# KiCad board pmic_panel.kicad_pcb (continued)
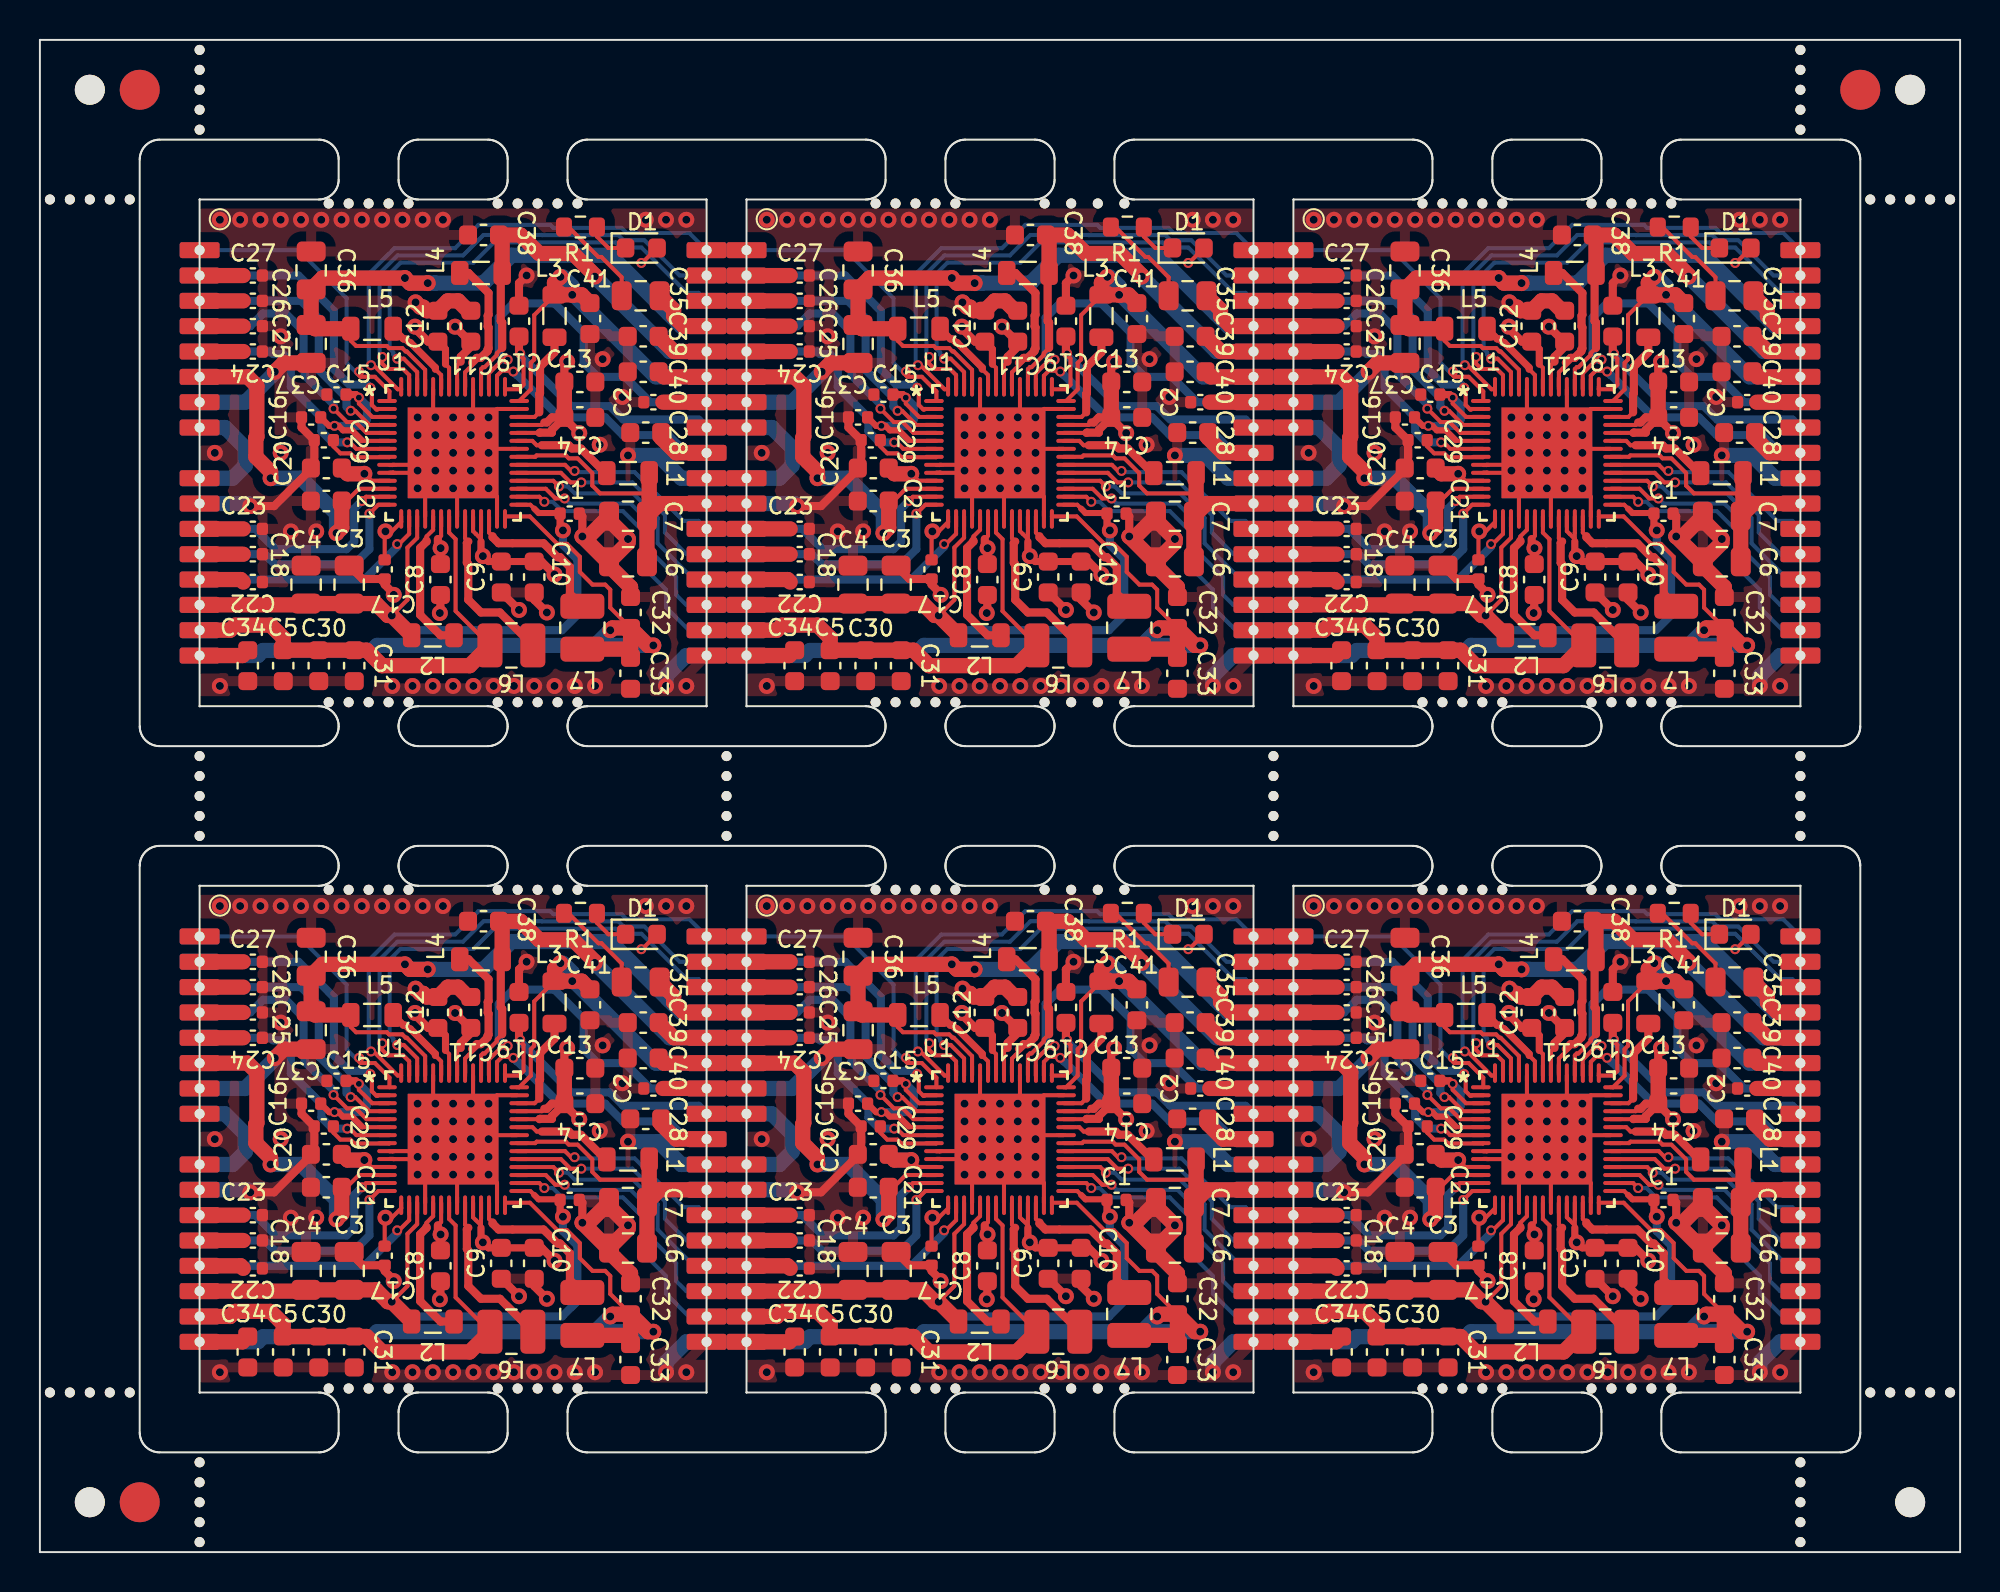
[diagram p0: board, top side]
## Routing (per net, layer and track width the routed paths; a pad name or vN(x,y) marks a point on that pad's centre or on a via; arc(x,y) is an arc through that point) (continued)
Board_4-PWRCTRL3: length 24.3
  Top w0.203: 46.3,23.89 46.3,24.75 45.63,25.42 v2(45.31,25.42)
  Bottom w0.203: v2(45.31,25.42) 45.11,25.62 45.11,25.73 44.92,25.92 44.92,29.69 45.46,30.23 49.12,30.23 50.14,31.25 56.24,31.25 56.49,30.99 57.54,30.99 59.81,28.72 60.4,28.72 U2#6.31
Board_4-RSTN: length 13.3
  Top w0.203: 51.29,18.9 52.74,18.9 53.23,18.41 v2(53.69,18.41)
  Bottom w0.203: v2(53.69,18.41) 53.94,18.16 56.99,18.16 57.99,17.16 57.99,15.76 59.28,14.48 59.28,13.59 59.78,13.08 U2#6.19
Board_4-SCL: length 11.7
  Top w0.203: v2(54.52,19.22) 53.98,19.22 53.5,19.7 51.29,19.7
  Bottom w0.203: U2#6.21 59.8,15.62 58.71,16.71 58.71,17.58 57.08,19.22 v2(54.52,19.22)
Board_4-SDA: length 10.8
  Top w0.203: 51.29,20.1 53.71,20.1 54.01,19.79 v2(54.19,19.79)
  Bottom w0.203: v2(54.19,19.79) 54.25,19.74 57.19,19.74 59.64,17.29 60.4,17.29 U2#6.22
Board_4-VBUS: length 17.4
  Top w0.203: 44.91,18.9 43.38,18.9 42.77,18.29 C21#3.1
  Top w0.762: C21#3.1 42.53,16.94 v1(42.26,16.68) ; U2#6.6 37.81,24.51 38.27,24.05 38.27,21.51 38.22,21.46 38.22,20.5 38.96,19.76 v1(38.96,19.43)
  Bottom w0.762: v1(42.26,16.68) 42.26,17.65 40.48,19.43 v1(38.96,19.43)
Board_4-VIN: length 57.7
  Top w0.203: 51.29,22.1 52.55,22.1 52.67,22.22 ; 47.34,16.38 47.5,16.54 47.5,17.51 ; v2(43.38,23.47) 43.38,23.17 44.05,22.5 44.91,22.5 ; v1(43.66,19.65) 44,19.3 44.91,19.3 ; 44.91,21.3 43.56,21.3 ; 48.3,23.89 48.3,25.09 48.48,25.27 ; 47.9,23.89 47.9,24.96 47.72,25.14 ; 49.5,17.51 49.5,16.7 49.5,16.7 49.5,16.25 49.5,16.38 49.1,16.78 49.1,17.51 ; C17#4.1 44.67,16.72 v1(44.71,16.76) 45.03,16.76 45.5,17.23 45.5,17.51 ; 51.29,21.7 52.43,21.7
  Top w0.305: 43.53,21.33 43.03,21.83 42.58,21.83 42.36,22.05 ; v2(42.16,22.05) 42.36,22.05 42.36,22.05 ; 42.36,22.05 41.9,22.05 C16.1
  Top w0.356: C10.1 C9#4.1 49.86,15.25 v1(49.59,15.52) 49.5,15.62 49.5,16.25 ; 47.72,25.14 47.72,25.89 C12#3.1 ; C15.1 43.23,23.62 v2(43.38,23.47)
  Top w0.406: C13#6.1 53.67,25.13 v1(53.81,25.27) ; C10.1 52.53,15.25 v1(53.18,14.6) ; 52.67,22.22 52.8,22.22 53.05,22.48 C14#3.1 ; v1(48.2,27.02) 48.95,26.27 C11#6.1 ; C12#3.1 46.85,26.27 46.19,26.93 v1(46.19,27.03) ; C14#3.1 53.05,21.86 53.05,21.72 52.45,21.72 52.43,21.7 ; C14#3.1 53.67,22.44 v1(54.42,21.69) ; C8#5.1 47.47,15.91 v1(47.48,15.92) 47.34,16.06 47.34,16.38 ; 49.24,26.27 48.48,25.51 48.48,25.27
  Top w0.762: C14#3.1 C13#6.1 ; v1(43.66,19.65) 42.81,19.65 C20#2.1
  In1.Cu w0.762: 38.71,21.45 38.19,21.97 U2#6.8 ; 38.71,21.45 v1(39.46,20.7) ; 38.71,21.45 38.51,21.45 37.68,20.62 37.68,20.12 36.99,19.43 U2#6.9
  Bottom w0.406: v2(42.16,22.05) 43.46,22.05 43.78,22.38 43.78,23.07 v2(43.38,23.47)
  Bottom w0.762: U2#6.8 36.67,21.97 37.69,20.95 37.69,20.06 37.05,19.43 U2#6.9
Board_4-VOUT1: length 21.2
  Top w0.203: 51.29,23.3 U1#5.42 51.99,23.88 51.99,25.21 52.16,25.38 52.16,27.6 L3#6.2
  Top w0.762: C41#5.1 54.54,28.62 L3#6.2 53.18,29.22 v1(53.48,29.52) ; U2#6.28 58.65,24.51 C40#3.1
  Bottom w0.762: 54.15,28.62 58.26,24.51 U2#6.28 ; v1(53.48,29.52) 53.6,29.52 54.07,29.05 v1(54.07,28.62)
Board_4-VOUT2: length 42.6
  Top w0.203: 50.7,17.51 51.95,17.51 53.32,16.14 53.8,16.14 54.45,15.49 54.45,14.73 55.09,14.1 55.72,14.1 55.97,13.84 55.97,12.94 C32#2.1
  Top w0.762: 56.99,10.92 56.93,10.86 L7#2.1 ; 56.99,10.92 C32#2.1 ; 56.99,10.92 C33#3.1 ; C32#2.1 57.87,11.05 v1(58.13,11.05) ; C32#2.1 56.09,11.92 v1(55.97,11.81) ; U2#6.16 37.55,10.54 C34#4.1
  Bottom w0.762: U2#6.16 38.32,10.54 38.57,10.79 44.04,10.79 44.29,11.05 55.21,11.05 ; 55.21,11.05 v1(55.97,11.81) ; 55.21,11.05 v1(58.13,11.05)
Board_4-VOUT3: length 23.6
  Top w0.203: 47.9,17.51 47.9,16.7 48.23,16.37 48.23,12.77 L6#4.1
  Top w0.762: U2#6.15 36.92,11.81 37.18,12.06 38.96,12.06 39.59,11.43 C5#4.1 C30#6.1 C31#5.1 43.77,10.81 44.54,10.03 48.93,10.03 L6#4.1
Board_4-VOUT4: length 52.2
  Top w0.203: 46.3,17.51 46.3,16.44 45.81,15.95 45.81,13.33 v1(45.03,12.55) ; D1#3.2 57.57,30.22 v2(57.53,30.22) ; 51.29,18.1 51.97,18.1 52.16,17.91
  Top w0.305: C1#4.1 53.43,17.68 52.39,17.68 52.16,17.91
  Top w0.356: C1#4.1 53.46,16.95 v1(53.6,16.81)
  Top w0.762: L2#2.1 v1(45.03,12.55) 44.83,12.55 44.23,13.15 C3#6.1 C4#4.1 40.67,13.08 U2#6.14
  In1.Cu w0.203: v1(53.6,16.81) 53.62,16.81 54.53,17.72 56.38,17.72 58.13,19.47 58.13,29.12 57.53,29.72 v2(57.53,30.22)
  Bottom w0.406: v1(45.03,12.55) 45.77,11.81 53.56,11.81 54.32,12.57 54.32,15.37 53.6,16.09 v1(53.6,16.81)
Board_4-VOUT5: length 15.6
  Top w0.203: 57.93,18.54 57.8,18.67 55.47,18.67 55.07,19.06 55.07,19.69 54.34,20.42 53.9,20.42 53.75,20.57 52.29,20.57 52.21,20.5 51.29,20.5
  Top w0.762: U2#6.23 58.45,18.16 C7#4.1 ; C7#4.1 C6#2.1 ; C7#4.1 57.93,17.64 L1#3.2
Board_4-VOUT6: length 23.9
  Top w0.203: 50.56,25.96 50.29,25.69 50.29,25.61 49.68,25 49.6,25 49.5,24.9 49.5,23.89
  Top w0.406: L4#3.2 50.49,29.65 50.49,27.3 50.56,27.23 50.56,25.96
  Top w0.762: C39#3.1 59.16,25.78 U2#6.29 ; L4#3.2 50.56,31.46 C38#3.1 51.48,31.62 52.41,30.7 54.11,30.7 55.2,29.61 v1(55.2,29.54)
  Bottom w0.762: v1(55.2,29.54) 58.95,25.78 U2#6.29
Board_4-VOUT7: length 36.8
  Top w0.203: 46.7,23.89 46.7,24.86 45.78,25.78 45.72,25.78 45.56,25.95 44.89,25.95 44.78,26.06 43.24,26.06 42.97,26.32 L5#6.2
  Top w0.762: L5#6.2 41.18,26.92 C37#6.1 C36.1 41.56,29.46 v1(45.69,29.46) 45.94,29.21 v1(46.83,29.21) ; C35#3.1 59.15,27.87 59.15,27.56 59.66,27.05 U2#6.30
  Bottom w0.762: 47.21,29.21 v1(46.83,29.21) ; 47.21,29.21 49.62,29.21 51.02,30.61 55.97,30.61 59.53,27.05 U2#6.30 ; 47.21,29.21 45.94,29.21 v1(45.69,29.46)
Board_4-VREFDDR: length 20.3
  Top w0.203: 49.89,23.89 49.89,24.68 50.58,25.37 v2(50.83,25.37)
  Top w0.762: U2#6.27 C2#6.1
  Bottom w0.406: v2(50.83,25.37) 50.67,25.37 50.39,25.65 50.39,27.47 51.1,28.19 53.18,28.19 54.64,26.73 54.64,25.21 55.34,24.51 56.71,24.51 57.98,23.24 U2#6.27
Board_4-WAKEUPN: length 13.8
  Top w0.203: 51.29,18.5 52.42,18.5 v2(52.67,18.25)
  Bottom w0.203: U2#6.18 59.91,11.81 58.77,12.95 58.77,13.84 57.62,14.98 57.62,16.76 56.61,17.78 53.56,17.78 53.09,18.25 v2(52.67,18.25)
Board_5-GND: length 63.2
  Top w0.203: C35#6.2 83.95,29.5 82.93,30.52 82.78,30.52 81.28,32.02 R1#5.2 ; v1(76.39,22.48) 76.5,22.59 76.5,23.89 ; v1(73.72,18.92) 74.1,18.54 74.1,17.51 ; 78.69,20.9 77.48,20.9 v1(77.28,20.7) ; 72.31,20.09 72.48,20.09 72.49,20.1 73.43,20.1 v1(73.72,19.81) 73.61,19.7 72.5,19.7 72.49,19.71 72.31,19.71 ; 74.5,23.89 74.5,22.59 v1(74.61,22.48) ; v1(77.28,18.92) 77.7,18.5 77.7,17.51 ; 78.69,22.9 77.7,22.9 v1(77.28,22.48) ; v1(75.5,18.92) 75.7,18.72 75.7,17.51
  Top w0.406: v1(78.8,12.83) 77.93,13.7 C9#6.2 ; C16#2.2 67.91,21.97 C29#2.2 68.54,20.11 C20.2 68.38,19.87 66.53,18.03 v1(65.34,18.03) ; C1.2 81.85,17.65 81.98,17.52 v1(81.98,16.51) ; C19#4.2 78.8,29.21 v1(79.18,29.59) ; v1(74.84,12.67) 74.86,12.7 74.86,13.58 ; C3#3.2 70.96,14.38 C17#5.2 72.07,14.1 72.53,13.64 v1(72.53,13.58) ; v1(80.2,12.7) 79.56,13.33 C10#6.2
  Top w0.762: v1(66.57,24.76) 67.02,25.21 C37#2.2 ; v1(73.62,28.24) 73.86,28.01 74,28.01 74.18,27.83 C12#2.2 75.23,28.32 75.75,28.32 76.25,27.83 C11#3.2 ; 83.31,15.24 83.25,15.24 v1(81.98,16.51) 82.3,16.51 83.31,17.52 83.31,17.33 v1(84.26,16.38) 84.26,16.19 83.31,15.24 ; 83.31,15.24 83.31,15.05 84.39,13.97 C32#5.2
  Bottom w0.762: U2#4.24 86.93,19.43 85.79,20.57 v1(84.26,20.57) ; v1(65.34,18.03) 65.21,18.16 U2#4.10 ; v1(66.57,24.76) 66.57,24.72 65.09,23.24 U2#4.7 ; v1(86.17,9.02) 86.17,9.52 87.18,10.54 U2#4.17
  vias: v1(63.56,20.7) v1(63.82,32.38) v1(63.82,9.02) v1(64.83,32.38) v1(65.85,32.38) v1(66.86,32.38) v1(66.86,26.54) v1(67.37,16.76) v1(67.88,32.38) v1(68.64,16.76) v1(68.9,32.38) v1(69.91,32.38) v1(70.93,32.38) v1(71.94,32.38) v1(72.45,9.02) v1(72.96,32.38) v1(73.47,9.02) v1(73.72,22.48) v1(73.72,21.59) v1(73.72,20.7) v1(73.98,32.38) v1(74.48,9.02) v1(74.61,21.59) v1(74.61,20.7) v1(74.61,19.81) v1(74.61,18.92) v1(74.99,32.38) v1(75.5,22.48) v1(75.5,21.59) v1(75.5,20.7) v1(75.5,19.81) v1(75.5,9.02) v1(76.39,21.59) v1(76.39,20.7) v1(76.39,19.81) v1(76.39,18.92) v1(76.52,9.02) v1(77.28,21.59) v1(77.28,19.81) v1(77.53,9.02) v1(78.55,9.02) v1(79.56,9.02) v1(80.58,9.02) v1(81.6,9.02) v1(82.61,9.02) v1(82.85,21.11) v1(82.99,25.4) v1(83.98,23.5) v1(85.15,32.38) v1(86.17,32.38) v1(87.18,32.38) v1(87.18,9.02)
Board_5-INTLDO: length 3.3
  Top w0.203: 72.31,20.49 72.3,20.48 70.55,20.48 70.36,20.68 69.85,20.68 69.5,21.03 C29#2.1
Board_5-INTN: length 12.3
  Top w0.203: 78.69,19.3 80.52,19.3 v2(80.8,19.02)
  Bottom w0.203: U2#4.20 87.56,14.35 85.75,16.16 85.75,17.43 84.52,18.67 81.6,18.67 81.25,19.02 v2(80.8,19.02)
Board_5-LDO1OUT: length 14.2
  Top w0.203: v2(71.31,17.65) 71.76,18.1 72.31,18.1
  Top w0.762: U2#4.12 C18.1
  Bottom w0.406: v2(71.31,17.65) 71.31,15.87 70.55,15.11 66.57,15.11 66.06,15.62 U2#4.12
Board_5-LDO2OUT: length 14.6
  Top w0.203: 73.3,17.51 73.3,16.64 72.79,16.13 v2(72.7,16.13)
  Top w0.762: C22#2.1 64.86,14.35 U2#4.13
  Bottom w0.406: v2(72.7,16.13) 72.7,16 71.06,14.35 U2#4.13
Board_5-LDO3IN: length 14.6
  Top w0.203: v2(78.86,25.68) 78.86,25.59 79.03,25.43 79.03,24.12 78.8,23.89 78.1,23.89 U1#4.43
  Top w0.406: C19#4.1 78.8,25.74 v2(78.86,25.68)
  Bottom w0.406: v2(78.86,25.68) 78.86,25.59 81.41,23.04 83.35,23.04 84.03,22.37 87.8,22.37 U2#4.26
Board_5-LDO3OUT: length 15.8
  Top w0.203: v2(78.52,24.78) 78.47,24.82 77.95,24.82 77.7,24.57 77.7,23.89
  Top w0.762: C28#6.1 85.93,21.45 86.68,20.7 U2#4.25
  Bottom w0.406: v2(78.52,24.78) 78.69,24.6 78.71,24.6 80.83,22.48 83.12,22.48 84.01,21.59 86.29,21.59 87.18,20.7 U2#4.25
Board_5-LDO4OUT: length 14.2
  Top w0.203: v2(70.93,18.29) 71.14,18.5 72.31,18.5
  Top w0.762: U2#4.11 C23#5.1
  Bottom w0.406: U2#4.11 65.59,16.89 66.61,15.87 70.17,15.87 70.55,16.25 70.55,17.91 v2(70.93,18.29)
Board_5-LDO5OUT: length 14.9
  Top w0.203: v2(70.2,21.23) 70.33,21.23 70.65,20.9 72.31,20.9
  Top w0.762: U2#4.5 C24#3.1
  Bottom w0.406: v2(70.2,21.23) 69.46,21.23 68.9,21.78 68.9,22.47 67.37,24 67.37,25.27 66.99,25.65 66.48,25.65 66.36,25.78 U2#4.5
Board_5-LDO6OUT: length 15.8
  Top w0.203: 72.31,21.7 71.16,21.7 70.62,22.24 70.18,22.24 v2(69.51,22.92)
  Top w0.762: U2#4.4 C25#2.1
  Bottom w0.406: v2(69.51,22.92) 69.51,23.13 68.07,24.58 68.07,25.13 68.01,25.18 68.01,26.8 67.12,27.69 65.97,27.69 65.34,27.05 U2#4.4
Board_5-LDO7OUT: length 16
  Top w0.203: v2(70.37,22.81) 70.6,22.81 71.3,22.1 72.31,22.1
  Top w0.762: U2#4.3 C26#4.1
  Bottom w0.406: U2#4.3 67.88,28.32 68.77,27.43 68.77,24.85 70.16,23.46 70.16,23.02 v2(70.37,22.81)
Board_5-LDO8OUT: length 16.7
  Top w0.203: v2(71.35,23.96) 71.43,23.89 71.43,23.1 71.66,22.88 71.71,22.88 71.74,22.9 72.31,22.9
  Top w0.762: U2#4.2 C27#2.1
  Bottom w0.406: U2#4.2 67.75,29.59 69.53,27.81 69.53,24.89 70.3,24.12 71.19,24.12 v2(71.35,23.96)
Board_5-Net-(D1-K): length 2.2
  Top w0.203: R1#5.1 82.7,31.55 83.28,30.97 D1#2.1
Board_5-Net-(U1-VLX1): length 5.3
  Top w0.203: 79.82,22.73 79.59,22.5 78.69,22.5
  Top w0.406: 79.82,22.73 79.82,23.65 79.86,23.69 79.86,25.02 80.58,25.74 L3#3.1
Board_5-Net-(U1-VLX2): length 7.8
  Top w0.203: 77.3,17.51 77.3,16.7 77.48,16.52
  Top w0.406: L7#6.2 81.35,13.64 81.35,14.98 80.86,15.47 80.73,15.47 80.03,16.17 77.78,16.17 77.48,16.47 77.48,16.52
Board_5-Net-(U1-VLX3): length 8.5
  Top w0.203: 76.26,16.25 76.1,16.42 76.1,17.51
  Top w0.406: 76.26,16.25 76.19,16.18 76.19,15.19 76.26,15.12 76.26,13.33 76.9,12.7 77.84,12.7 L6.2
Board_5-Net-(U1-VLX4): length 7.3
  Top w0.203: 74.5,17.51 74.5,16.84 74.17,16.51 74.17,16.31
  Top w0.406: L2#4.2 74.87,11.56 73.85,12.58 73.85,15.93 74.17,16.25 74.17,16.31
Board_5-Net-(U1-VLX5): length 5.2
  Top w0.203: 78.69,21.3 79.47,21.3 79.69,21.08 79.94,21.08
  Top w0.406: L1#4.1 83.13,19.68 81.9,20.92 81.46,20.92 81.3,21.08 79.94,21.08
Board_5-Net-(U1-VLX6): length 7.8
  Top w0.203: 76.1,23.89 76.1,24.48 ; 76.43,25.22 76.43,25.07 76.1,24.74 U1#4.48
  Top w0.406: L4#2.1 76.27,29.72 77.28,28.71 77.28,27.62 77.23,27.57 77.23,27.03 77.28,26.99 77.28,25.93 77.23,25.89 77.23,25.8 76.89,25.46 76.69,25.46 76.45,25.22
Board_5-Net-(U1-VLX7): length 4.1
  Top w0.203: 74.61,24.89 74.9,24.6 74.9,23.89
  Top w0.356: 74.61,24.89 74.61,24.97 73.36,26.22 73.3,26.22 73.12,26.41 73.01,26.41 L5#4.1
Board_5-PONKEYN: length 15
  Top w0.203: 72.31,23.3 72.31,23.78 71.58,24.51 70.86,24.51 70.79,24.58 v2(70.79,24.78)
  Bottom w0.203: v2(70.79,24.78) 70.74,24.73 70.65,24.73 70.17,25.21 70.17,28.45 67.75,30.86 U2#4.1
Board_5-PWRCTRL1: length 25.1
  Top w0.203: v2(71.39,25.09) 71.42,25.06 71.54,25.06 72.72,23.89 72.9,23.89
  Bottom w0.203: v2(71.39,25.09) 71.31,25.09 71.28,25.13 71.28,29.67 72.56,30.96 75.6,30.96 76.77,32.13 80.37,32.13 80.52,31.97 83.94,31.97 84.2,31.72 87.34,31.72 U2#4.33
Board_5-PWRCTRL2: length 25.1
  Top w0.203: v2(71.95,25.51) 71.93,25.51 71.85,25.42 71.94,25.32 71.94,25.18 72.22,24.9 73,24.9 73.3,24.6 73.3,23.89
  Bottom w0.203: v2(71.95,25.51) 71.83,25.51 71.82,25.52 71.82,29.7 72.71,30.6 76,30.6 77.02,31.62 79.94,31.62 79.96,31.61 83.79,31.61 84.04,31.36 85.09,31.36 86.85,29.59 U2#4.32
Board_5-PWRCTRL3: length 24.3
  Top w0.203: 73.7,23.89 73.7,24.75 73.03,25.42 v2(72.71,25.42)
  Bottom w0.203: U2#4.31 87.8,28.72 87.21,28.72 84.94,30.99 83.89,30.99 83.64,31.25 77.54,31.25 76.52,30.23 72.86,30.23 72.32,29.69 72.32,25.92 72.51,25.73 72.51,25.62 v2(72.71,25.42)
Board_5-RSTN: length 13.3
  Top w0.203: 78.69,18.9 80.14,18.9 80.63,18.41 v2(81.09,18.41)
  Bottom w0.203: v2(81.09,18.41) 81.34,18.16 84.39,18.16 85.39,17.16 85.39,15.76 86.68,14.48 86.68,13.59 87.18,13.08 U2#4.19
Board_5-SCL: length 11.7
  Top w0.203: v2(81.92,19.22) 81.38,19.22 80.9,19.7 78.69,19.7
  Bottom w0.203: U2#4.21 87.2,15.62 86.11,16.71 86.11,17.58 84.48,19.22 v2(81.92,19.22)
Board_5-SDA: length 10.8
  Top w0.203: 78.69,20.1 81.11,20.1 81.41,19.79 v2(81.59,19.79)
  Bottom w0.203: v2(81.59,19.79) 81.65,19.74 84.59,19.74 87.04,17.29 87.8,17.29 U2#4.22
Board_5-VBUS: length 17.4
  Top w0.203: 72.31,18.9 70.78,18.9 70.17,18.29 69.92,18.29
  Top w0.762: v1(69.66,16.68) 69.92,16.94 69.92,18.29 ; v1(66.36,19.43) 66.36,19.76 65.62,20.5 65.62,21.46 65.67,21.51 65.67,24.05 65.21,24.51 U2#4.6
  Bottom w0.762: v1(66.36,19.43) 67.88,19.43 69.66,17.65 v1(69.66,16.68)
Board_5-VIN: length 57.7
  Top w0.203: 72.31,22.5 71.45,22.5 70.78,23.17 v2(70.78,23.47) ; 75.12,25.14 75.3,24.96 75.3,23.89 ; 80.07,22.22 79.95,22.1 78.69,22.1 ; 78.69,21.7 79.83,21.7 ; 74.74,16.38 74.9,16.54 74.9,17.51 ; v1(71.06,19.65) 71.4,19.3 72.31,19.3 ; 76.5,17.51 76.5,16.78 76.9,16.38 76.9,16.25 76.9,16.7 76.9,16.7 76.9,17.51 ; 72.9,17.51 72.9,17.23 72.43,16.76 v1(72.11,16.76) 72.07,16.72 C17#5.1 ; 72.31,21.3 70.96,21.3 ; 75.7,23.89 75.7,25.09 75.88,25.27
  Top w0.305: C16#2.1 69.3,22.05 69.76,22.05 ; v2(69.56,22.05) 69.76,22.05 69.76,22.05 ; 69.76,22.05 69.98,21.83 70.43,21.83 70.93,21.33
  Top w0.356: C15#3.1 70.63,23.62 v2(70.78,23.47) ; C12#2.1 75.12,25.89 75.12,25.14 ; C10#6.1 C9#6.1 77.26,15.25 v1(76.99,15.52) 76.9,15.62 76.9,16.25
  Top w0.406: C14#6.1 80.45,22.48 80.2,22.22 80.07,22.22 ; C14#6.1 80.45,21.86 80.45,21.72 79.85,21.72 79.83,21.7 ; C14#6.1 81.07,22.44 v1(81.82,21.69) ; C11#3.1 76.35,26.27 v1(75.6,27.02) ; C12#2.1 74.25,26.27 73.59,26.93 v1(73.59,27.03) ; C8#3.1 74.86,15.91 v1(74.88,15.92) 74.74,16.06 74.74,16.38 ; C13#3.1 81.07,25.13 v1(81.22,25.27) ; 76.64,26.27 75.88,25.51 75.88,25.27 ; C10#6.1 79.93,15.25 v1(80.58,14.6)
  Top w0.762: C14#6.1 C13#3.1 ; v1(71.06,19.65) 70.21,19.65 69.92,19.94
  In1.Cu w0.762: U2#4.8 65.59,21.97 66.11,21.45 ; 66.11,21.45 65.91,21.45 65.08,20.62 65.08,20.12 64.39,19.43 U2#4.9 ; 66.11,21.45 v1(66.86,20.7)
  Bottom w0.406: v2(69.56,22.05) 70.86,22.05 71.18,22.38 71.18,23.07 v2(70.78,23.47)
  Bottom w0.762: U2#4.8 64.07,21.97 65.09,20.95 65.09,20.06 64.45,19.43 U2#4.9
Board_5-VOUT1: length 21.2
  Top w0.203: 78.69,23.3 U1#4.42 79.39,23.88 79.39,25.21 79.56,25.38 79.56,27.6 L3#3.2
  Top w0.762: U2#4.28 86.05,24.51 C40#2.1 ; C41#4.1 81.94,28.62 L3#3.2 80.58,29.22 v1(80.88,29.52)
  Bottom w0.762: v1(80.88,29.52) 81,29.52 81.47,29.05 v1(81.47,28.62) ; 81.55,28.62 85.66,24.51 U2#4.28
Board_5-VOUT2: length 42.6
  Top w0.203: 78.1,17.51 79.35,17.51 80.72,16.14 81.2,16.14 81.85,15.49 81.85,14.73 82.48,14.1 83.12,14.1 83.37,13.84 83.37,12.94 C32#5.1
  Top w0.762: C34#5.1 64.95,10.54 U2#4.16 ; 84.39,10.92 84.33,10.86 L7#6.1 ; 84.39,10.92 C32#5.1 ; 84.39,10.92 C33#2.1 ; C32#5.1 85.27,11.05 v1(85.53,11.05) ; C32#5.1 83.49,11.92 v1(83.37,11.81)
  Bottom w0.762: 82.61,11.05 71.69,11.05 71.44,10.79 65.97,10.79 65.72,10.54 U2#4.16 ; 82.61,11.05 v1(85.53,11.05) ; 82.61,11.05 v1(83.37,11.81)
Board_5-VOUT3: length 23.6
  Top w0.203: L6.1 75.63,12.77 75.63,16.37 75.3,16.7 75.3,17.51
  Top w0.762: U2#4.15 64.32,11.81 64.58,12.06 66.36,12.06 66.99,11.43 C5#6.1 C30#5.1 C31.1 71.17,10.81 71.94,10.03 76.33,10.03 L6.1
Board_5-VOUT4: length 52.2
  Top w0.203: 79.56,17.91 79.37,18.1 78.69,18.1 ; v2(84.93,30.22) 84.97,30.22 D1#2.2 ; 73.7,17.51 73.7,16.44 73.21,15.95 73.21,13.33 v1(72.43,12.55)
  Top w0.305: 79.56,17.91 79.79,17.68 80.83,17.68 C1.1
  Top w0.356: v1(81,16.81) 80.86,16.95 C1.1
  Top w0.762: L2#4.1 v1(72.43,12.55) 72.23,12.55 71.63,13.15 C3#3.1 C4#5.1 68.07,13.08 U2#4.14
  In1.Cu w0.203: v2(84.93,30.22) 84.93,29.72 85.53,29.12 85.53,19.47 83.78,17.72 81.93,17.72 81.02,16.81 v1(81,16.81)
  Bottom w0.406: v1(72.43,12.55) 73.17,11.81 80.96,11.81 81.72,12.57 81.72,15.37 81,16.09 v1(81,16.81)
Board_5-VOUT5: length 15.6
  Top w0.203: 85.33,18.54 85.2,18.67 82.87,18.67 82.47,19.06 82.47,19.69 81.74,20.42 81.3,20.42 81.15,20.57 79.69,20.57 79.61,20.5 78.69,20.5
  Top w0.762: C7.1 85.33,17.64 L1#4.2 ; C7.1 C6.1 ; C7.1 85.85,18.16 U2#4.23
Board_5-VOUT6: length 23.9
  Top w0.203: 77.96,25.96 77.69,25.69 77.69,25.61 77.08,25 77,25 76.9,24.9 76.9,23.89
  Top w0.406: 77.96,25.96 77.96,27.23 77.89,27.3 77.89,29.65 L4#2.2
  Top w0.762: C39#4.1 86.56,25.78 U2#4.29 ; L4#2.2 77.96,31.46 C38#2.1 78.88,31.62 79.81,30.7 81.51,30.7 82.6,29.61 v1(82.6,29.54)
  Bottom w0.762: U2#4.29 86.35,25.78 v1(82.6,29.54)
Board_5-VOUT7: length 36.8
  Top w0.203: L5#4.2 70.37,26.32 70.64,26.06 72.18,26.06 72.29,25.95 72.96,25.95 73.12,25.78 73.18,25.78 74.1,24.86 74.1,23.89
  Top w0.762: v1(74.23,29.21) 73.34,29.21 v1(73.09,29.46) 68.96,29.46 C36#5.1 C37#2.1 68.58,26.92 L5#4.2 ; C35#6.1 86.55,27.87 86.55,27.56 87.06,27.05 U2#4.30
  Bottom w0.762: 74.61,29.21 v1(74.23,29.21) ; 74.61,29.21 73.34,29.21 v1(73.09,29.46) ; 74.61,29.21 77.02,29.21 78.42,30.61 83.37,30.61 86.93,27.05 U2#4.30
Board_5-VREFDDR: length 20.3
  Top w0.203: 77.29,23.89 77.29,24.68 77.98,25.37 v2(78.23,25.37)
  Top w0.762: U2#4.27 C2#4.1
  Bottom w0.406: v2(78.23,25.37) 78.07,25.37 77.79,25.65 77.79,27.47 78.5,28.19 80.58,28.19 82.04,26.73 82.04,25.21 82.74,24.51 84.11,24.51 85.38,23.24 U2#4.27
Board_5-WAKEUPN: length 13.8
  Top w0.203: v2(80.07,18.25) 79.82,18.5 78.69,18.5
  Bottom w0.203: v2(80.07,18.25) 80.49,18.25 80.96,17.78 84.01,17.78 85.03,16.76 85.03,14.98 86.17,13.84 86.17,12.95 87.31,11.81 U2#4.18

## Copper pours and planes (outline as drawn; the poured copper is in the pictures)
Board_0-GND on Top, Bottom, In1.Cu, In2.Cu: 8,67.8 33.4,67.8 33.4,42.4 8,42.4
Board_0-VIN on Bottom, In1.Cu: 14.35,61.45 14.35,48.75 27.05,48.75 27.05,61.45
Board_0-VIN on Bottom, In1.Cu: 11.94,57 13.84,57.39 16.25,57.39 18.03,57.13 18.03,53.58 13.08,53.58 9.65,53.2 6.22,53.2 6.22,57
Board_1-GND on Top, Bottom, In1.Cu, In2.Cu: 35.4,67.8 60.8,67.8 60.8,42.4 35.4,42.4
Board_1-VIN on Bottom, In1.Cu: 39.34,57 41.24,57.39 43.66,57.39 45.43,57.13 45.43,53.58 40.48,53.58 37.05,53.2 33.62,53.2 33.62,57
Board_1-VIN on Bottom, In1.Cu: 41.75,61.45 41.75,48.75 54.45,48.75 54.45,61.45
Board_2-GND on Top, Bottom, In1.Cu, In2.Cu: 62.8,67.8 88.2,67.8 88.2,42.4 62.8,42.4
Board_2-VIN on Bottom, In1.Cu: 69.15,61.45 69.15,48.75 81.85,48.75 81.85,61.45
Board_2-VIN on Bottom, In1.Cu: 66.74,57 68.64,57.39 71.06,57.39 72.83,57.13 72.83,53.58 67.88,53.58 64.45,53.2 61.02,53.2 61.02,57
Board_3-GND on Top, Bottom, In1.Cu, In2.Cu: 8,33.4 33.4,33.4 33.4,8 8,8
Board_3-VIN on Bottom, In1.Cu: 11.94,22.61 13.84,22.99 16.25,22.99 18.03,22.73 18.03,19.18 13.08,19.18 9.65,18.8 6.22,18.8 6.22,22.61
Board_3-VIN on Bottom, In1.Cu: 14.35,27.05 14.35,14.35 27.05,14.35 27.05,27.05
Board_4-GND on Top, Bottom, In1.Cu, In2.Cu: 35.4,33.4 60.8,33.4 60.8,8 35.4,8
Board_4-VIN on Bottom, In1.Cu: 41.75,27.05 41.75,14.35 54.45,14.35 54.45,27.05
Board_4-VIN on Bottom, In1.Cu: 39.34,22.61 41.24,22.99 43.66,22.99 45.43,22.73 45.43,19.18 40.48,19.18 37.05,18.8 33.62,18.8 33.62,22.61
Board_5-GND on Top, Bottom, In1.Cu, In2.Cu: 62.8,33.4 88.2,33.4 88.2,8 62.8,8
Board_5-VIN on Bottom, In1.Cu: 66.74,22.61 68.64,22.99 71.06,22.99 72.83,22.73 72.83,19.18 67.88,19.18 64.45,18.8 61.02,18.8 61.02,22.61
Board_5-VIN on Bottom, In1.Cu: 69.15,27.05 69.15,14.35 81.85,14.35 81.85,27.05
